# Altium PCB multv2.PcbDoc (continued)
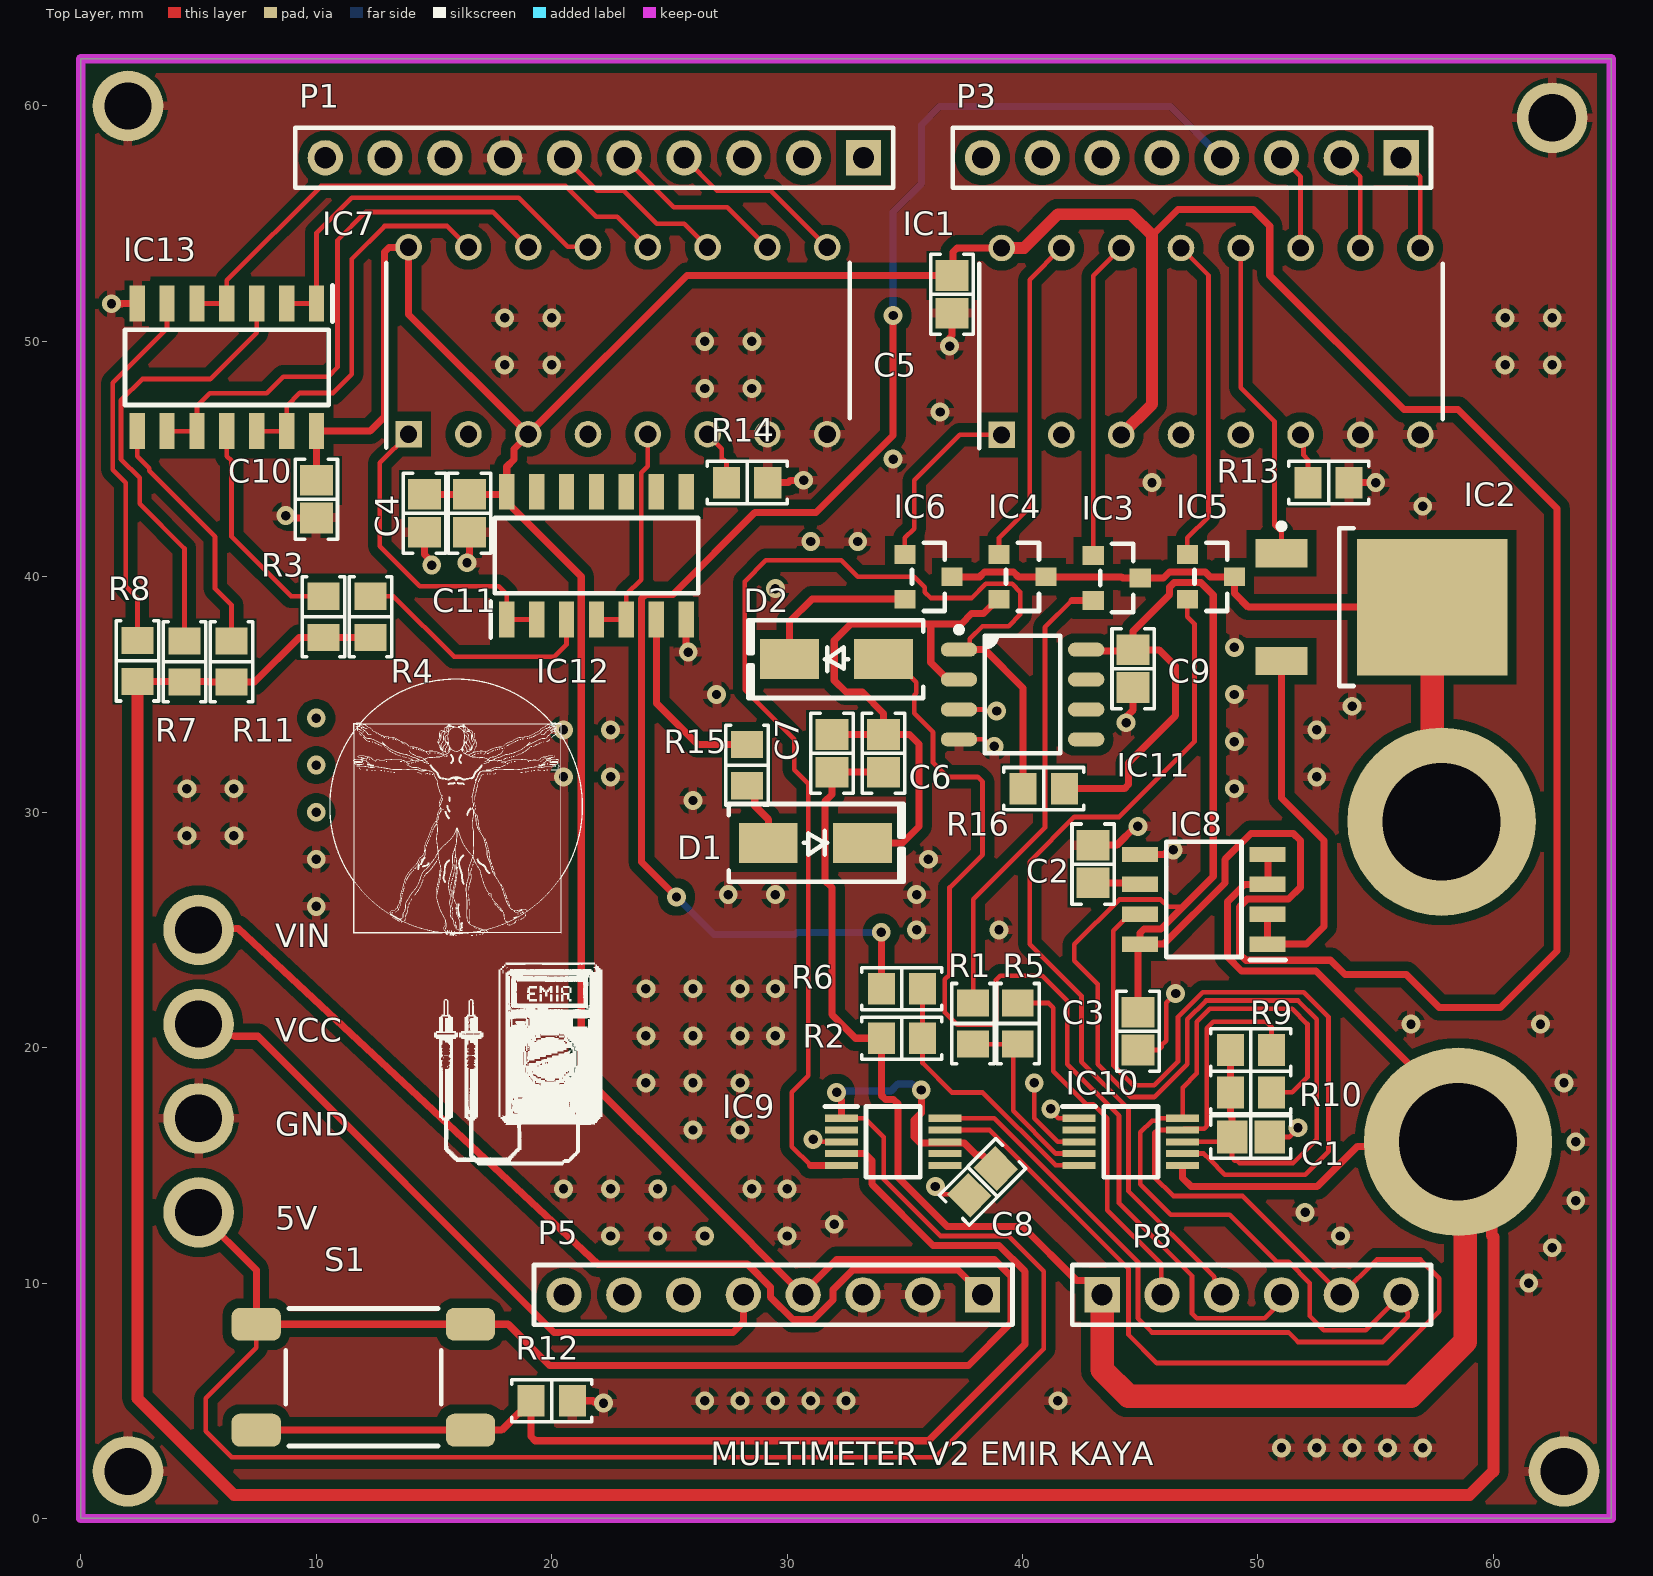
[diagram p0: Top Layer view]
## Part data (continued)
IC1 IC7: "Integrated Circuit", Manufacturer_Name="Texas Instruments", Mouser Part Number=595-CD74HC4051E, Arrow Part Number=CD74HC4051E, Arrow Price/Stock=https://www.arrow.com/en/products/cd74hc4051e/texas-instruments?region=europe, Datasheet Link=http://www.ti.com/lit/ds/symlink/cd74hc4051.pdf, Height=5.08mm, Manufacturer_Part_Number=CD74HC4051E, Mouser Price/Stock=https://www.mouser.co.uk/ProductDetail/Texas-Instruments/CD74HC4051E?qs=LfG3tU9ud8CbsH7xUrF9XA%3D%3D
IC2: library part IPD80R2K8CEATMA1, "MOSFET N-CH 800V 1.9A TO252-3", Current - Continuous Drain (Id) @ 25°C="1.9A (Tc)", Drain to Source Voltage (Vdss)="800 V", Drive Voltage (Max Rds On,  Min Rds On)=10V, Input Capacitance (Ciss) (Max) @ Vds="290 pF @ 100 V", manufacturer="Infineon Technologies", Operating Temperature="-55°C ~ 150°C (TJ)", Package / Case="TO-252-3, DPak (2 Leads + Tab), SC-63", Power Dissipation (Max)="42W (Tc)", Supplier Device Package=PG-TO252-3, Supplier Part Number 1=IPD80R2K8CEATMA1CT-ND, componentlink1description=Datasheet, componentlink1url=https://www.infineon.com/dgdl/Infineon-IPX80R2K8CE-DS-v02_01-en.pdf?fileId=db3a304340155f3d01402f5e5f1f274f, componentlink2description="DigiKey Link", componentlink2url=https://www.digikey.com/en/products/detail/infineon-technologies/IPD80R2K8CEATMA1/5960265, FET Type=N-Channel, Gate Charge (Qg) (Max) @ Vgs="12 nC @ 10 V", lastupdated="03/06/2024 20:26:42", Lifecycle Status=Active, Minimum Order=1, Mounting Type="Surface Mount", packaging=TapeAndReel, Part Number=IPD80R2K8CEATMA1, Part Status=Active, price=0.39, Rds On (Max) @ Id, Vgs="2.8Ohm @ 1.1A, 10V", series="CoolMOS™ CE", Supplier 1=DigiKey, Technology="MOSFET (Metal Oxide)", Vgs (Max)=±20V, Vgs(th) (Max) @ Id="3.9V @ 120µA"
IC3 IC4 IC5 IC6: "MOSFET N-CH 60V 2A SOT23", Current - Continuous Drain (Id) @ 25°C="2A (Ta)", Drain to Source Voltage (Vdss)="60 V", Drive Voltage (Max Rds On,  Min Rds On)="4.5V, 10V", Input Capacitance (Ciss) (Max) @ Vds="606 pF @ 20 V", manufacturer="Diodes Incorporated", Operating Temperature="-55°C ~ 150°C (TJ)", Package / Case="TO-236-3, SC-59, SOT-23-3", Power Dissipation (Max)="800mW (Ta)", Supplier Device Package=SOT-23-3, Supplier Part Number 1=DMN6075S-7DICT-ND, componentlink1description=Datasheet, componentlink1url=https://www.diodes.com/assets/Datasheets/DMN6075S.pdf, componentlink2description="DigiKey Link", componentlink2url=https://www.digikey.com/en/products/detail/diodes-incorporated/DMN6075S-7/5149292, FET Type=N-Channel, Gate Charge (Qg) (Max) @ Vgs="12.3 nC @ 10 V", lastupdated="03/06/2024 20:15:18", Lifecycle Status=Active, Minimum Order=1, Mounting Type="Surface Mount", packaging=TapeAndReel, Part Number=DMN6075S-7, Part Status=Active, price=0.05, Rds On (Max) @ Id, Vgs="85mOhm @ 3.2A, 10V", series=-, Supplier 1=DigiKey, Technology="MOSFET (Metal Oxide)", Vgs (Max)=±20V, Vgs(th) (Max) @ Id="3V @ 250µA"
IC8: "Integrated Circuit", Manufacturer_Name="Allegro Microsystems", Mouser Part Number=250-712ELCTR05BT, Arrow Part Number=ACS712ELCTR-05B-T, Arrow Price/Stock=https://www.arrow.com/en/products/acs712elctr-05b-t/allegro-microsystems?utm_currency=USD&region=nac, Datasheet Link=https://www.allegromicro.com/~/media/Files/Datasheets/ACS712-Datasheet.ashx, Height=1.75mm, Manufacturer_Part_Number=ACS712ELCTR-05B-T, Mouser Price/Stock=https://www.mouser.co.uk/ProductDetail/Allegro-MicroSystems/ACS712ELCTR-05B-T?qs=pUKx8fyJudDs65Rkshv5ug%3D%3D
IC9 IC10: "Integrated Circuit", Manufacturer_Name="Texas Instruments", Mouser Part Number=595-ADS1015IDGST, Arrow Part Number=ADS1015IDGST, Arrow Price/Stock=https://www.arrow.com/en/products/ads1015idgst/texas-instruments?utm_currency=USD&region=nac, Datasheet Link=https://datasheet.datasheetarchive.com/originals/distributors/SFDatasheet-7/sf-000145393.pdf, Height=1.1mm, Manufacturer_Part_Number=ADS1015IDGST, Mouser Price/Stock=https://www.mouser.co.uk/ProductDetail/Texas-Instruments/ADS1015IDGST?qs=IK5e5L0zOXh9z6MvmmS6pA%3D%3D
IC11: "IC OPAMP GP 2 CIRCUIT 8SOIC", Current - Input Bias=20nA, Current - Output / Channel=30mA, Current - Supply=1mA, Device Package="8-SOIC (0.154\", 3.90mm Width)", manufacturer="Texas Instruments", Operating Temperature="-40°C ~ 125°C", Supplier Device Package=8-SOIC, Supplier Part Number 1=296-27464-1-ND, Voltage - Input Offset=3mV, Voltage - Supply, Single/Dual (±)="3V ~ 26V, ±1.5V ~ 13V", Amplifier Type="General Purpose", componentlink1description=Datasheet, componentlink1url=http://www.ti.com/general/docs/suppproductinfo.tsp?distId=10&gotoUrl=http%3A%2F%2Fwww.ti.com%2Flit%2Fgpn%2Flm258a, componentlink2description="DigiKey Link", componentlink2url=http://digikey.com/product-detail/en/texas-instruments/LM2904DRG3/296-27464-1-ND/2297366, Gain Bandwidth Product=700kHz, lastupdated="09/01/2020 02:06:06", Lifecycle Status=Active, Minimum Order=1, Mounting Type="Surface Mount", Number of Circuits=2, Package / Case="8-SOIC (0.154\", 3.90mm Width)", packaging=ReReel, Part Number=LM2904DRG3, Part Status=Active, partid=14, price=0.00, series=-, Slew Rate=0.3V/µs, Supplier 1=DigiKey
IC12 IC13: "Integrated Circuit", Manufacturer_Name="Texas Instruments", Mouser Part Number=595-CD74HCT125M, Arrow Part Number=CD74HCT125M, Arrow Price/Stock=https://www.arrow.com/en/products/cd74hct125m/texas-instruments, Datasheet Link=http://www.ti.com/lit/ds/symlink/cd74hct125.pdf, Height=1.75mm, Manufacturer_Part_Number=CD74HCT125M, Mouser Price/Stock=https://www.mouser.co.uk/ProductDetail/Texas-Instruments/CD74HCT125M?qs=D5pVkbrsqqIXfx0uwi2SiA%3D%3D
P1: library part "Header 10", "Header, 10-Pin", LatestRevisionDate=17-Jul-2002, LatestRevisionNote="Re-released for DXP Platform.", Publisher="Altium Limited"
P3 P5: library part "Header 8", "Header, 8-Pin", LatestRevisionDate=17-Jul-2002, LatestRevisionNote="Re-released for DXP Platform.", Publisher="Altium Limited"
P8: library part "Header 6", "Header, 6-Pin", LatestRevisionDate=17-Jul-2002, LatestRevisionNote="Re-released for DXP Platform.", Publisher="Altium Limited"
R1 R2 R4 R9 R10 R12 R13 R14: library part RNCS0805BKE10K0, "RES 10K OHM 0.1% 1/10W 0805", Device Package="0805 (2012 Metric)", manufacturer="Stackpole Electronics Inc", Operating Temperature="-55°C ~ 155°C", Power (Watts)="0.1W, 1/10W", Ratings=AEC-Q200, Supplier Device Package=0805, Supplier Part Number 1=RNCS0805BKE10K0CT-ND, Temperature Coefficient=±25ppm/°C, Tolerance=±0.1%, componentlink1description=Datasheet, componentlink1url=https://www.seielect.com/catalog/sei-rncs_rnch.pdf, componentlink2description="DigiKey Link", componentlink2url=https://www.digikey.com/en/products/detail/stackpole-electronics-inc/RNCS0805BKE10K0/1800067, Composition="Thin Film", Features="Anti-Corrosive, Automotive AEC-Q200, Moisture Resistant", Height - Seated (Max)="0.026\" (0.65mm)", lastupdated="08/02/2024 21:02:39", Lifecycle Status=Active, Minimum Order=1, Number of Terminations=2, Package / Case="0805 (2012 Metric)", packaging=TapeAndReel, Part Number=RNCS0805BKE10K0, Part Status=Active, partid=27713, price=0.07, Resistance="10 kOhms", series=RNCS, Size / Dimension="0.079\" L x 0.049\" W (2.00mm x 1.25mm)", Supplier 1=DigiKey
R3: library part ESR10EZPF2200, "RES SMD 220 OHM 1% 0.4W 0805", Device Package="0805 (2012 Metric)", manufacturer="Rohm Semiconductor", Operating Temperature="-55°C ~ 155°C", Power (Watts)="0.4W, 2/5W", Ratings=AEC-Q200, Supplier Device Package=0805, Supplier Part Number 1=RHM220AECT-ND, Temperature Coefficient=±100ppm/°C, Tolerance=±1%, componentlink1description=Datasheet, componentlink1url=https://www.rohm.com/datasheet/ESR01MZPF/esr-e, componentlink2description="DigiKey Link", componentlink2url=https://www.digikey.com/en/products/detail/rohm-semiconductor/ESR10EZPF2200/1983511, Composition="Thick Film", Features="Automotive AEC-Q200, Pulse Withstanding", Height - Seated (Max)="0.026\" (0.65mm)", lastupdated="08/02/2024 21:02:37", Lifecycle Status=Active, Minimum Order=1, Number of Terminations=2, Package / Case="0805 (2012 Metric)", packaging=TapeAndReel, Part Number=ESR10EZPF2200, Part Status=Active, partid=28037, price=0.02, Resistance="220 Ohms", series=ESR, Size / Dimension="0.079\" L x 0.049\" W (2.00mm x 1.25mm)", Supplier 1=DigiKey
R5 R6 R7 R8 R11: library part RNCS0805BKE10K0, "RES 10K OHM 0.1% 1/10W 0805", Device Package="0805 (2012 Metric)", manufacturer="Stackpole Electronics Inc", Operating Temperature="-55°C ~ 155°C", Power (Watts)="0.1W, 1/10W", Ratings=AEC-Q200, Resistance="10 kOhms", Supplier Device Package=0805, Supplier Part Number 1=RNCS0805BKE10K0CT-ND, Temperature Coefficient=±25ppm/°C, Tolerance=±0.1%, componentlink1description=Datasheet, componentlink1url=https://www.seielect.com/catalog/sei-rncs_rnch.pdf, componentlink2description="DigiKey Link", componentlink2url=https://www.digikey.com/en/products/detail/stackpole-electronics-inc/RNCS0805BKE10K0/1800067, Composition="Thin Film", Features="Anti-Corrosive, Automotive AEC-Q200, Moisture Resistant", Height - Seated (Max)="0.026\" (0.65mm)", lastupdated="08/02/2024 21:02:39", Lifecycle Status=Active, Minimum Order=1, Number of Terminations=2, Package / Case="0805 (2012 Metric)", packaging=TapeAndReel, Part Number=RNCS0805BKE10K0, Part Status=Active, partid=27713, price=0.07, series=RNCS, Size / Dimension="0.079\" L x 0.049\" W (2.00mm x 1.25mm)", Supplier 1=DigiKey
R15: library part ERJ-6ENF1200V, "RES SMD 120 OHM 1% 1/8W 0805", Device Package="0805 (2012 Metric)", manufacturer="Panasonic Electronic Components", Operating Temperature="-55°C ~ 155°C", Power (Watts)="0.125W, 1/8W", Ratings=AEC-Q200, Supplier Device Package=0805, Supplier Part Number 1=P120CCT-ND, Temperature Coefficient=±100ppm/°C, Tolerance=±1%, componentlink1description=Datasheet, componentlink1url=https://industrial.panasonic.com/cdbs/www-data/pdf/RDA0000/AOA0000C304.pdf, componentlink2description="DigiKey Link", componentlink2url=https://www.digikey.com/en/products/detail/panasonic-electronic-components/ERJ-6ENF1200V/1746457, Composition="Thick Film", Features="Automotive AEC-Q200", Height - Seated (Max)="0.028\" (0.70mm)", lastupdated="08/02/2024 21:02:28", Lifecycle Status=Active, Minimum Order=1, Number of Terminations=2, Package / Case="0805 (2012 Metric)", packaging=TapeAndReel, Part Number=ERJ-6ENF1200V, Part Status=Active, partid=30224, price=0.01, Resistance="120 Ohms", series=ERJ-6EN, Size / Dimension="0.079\" L x 0.049\" W (2.00mm x 1.25mm)", Supplier 1=DigiKey
R16: library part CRCW0805330RFKEAHP, "RES SMD 330 OHM 1% 1/2W 0805", Device Package="0805 (2012 Metric)", manufacturer="Vishay Dale", Operating Temperature="-55°C ~ 155°C", Power (Watts)="0.5W, 1/2W", Ratings=AEC-Q200, Supplier Device Package=0805, Supplier Part Number 1=541-330TCT-ND, Temperature Coefficient=±100ppm/°C, Tolerance=±1%, componentlink1description=Datasheet, componentlink1url=http://www.vishay.com/docs/20043/crcwhpe3.pdf, componentlink2description="DigiKey Link", componentlink2url=https://www.digikey.com/en/products/detail/vishay-dale/CRCW0805330RFKEAHP/2226912, Composition="Thick Film", Features="Automotive AEC-Q200, Pulse Withstanding", Height - Seated (Max)="0.020\" (0.50mm)", lastupdated="08/02/2024 21:02:28", Lifecycle Status=Active, Minimum Order=1, Number of Terminations=2, Package / Case="0805 (2012 Metric)", packaging=TapeAndReel, Part Number=CRCW0805330RFKEAHP, Part Status=Active, partid=30364, price=0.02, Resistance="330 Ohms", series=CRCW-HP, Size / Dimension="0.079\" L x 0.049\" W (2.00mm x 1.25mm)", Supplier 1=DigiKey
S1: "SWITCH TACTILE SPST-NO 0.05A 24V", Contact Rating @ Voltage="0.05A @ 24VDC", manufacturer="TE Connectivity ALCOSWITCH Switches", Operating Force=260gf, Operating Temperature="-40°C ~ 105°C", Supplier Part Number 1=450-2138-1-ND, Actuator Height off PCB, Vertical=7.00mm, Actuator Orientation="Top Actuated", Actuator Type=Standard, Circuit=SPST-NO, componentlink1description=Datasheet, componentlink1url=https://www.te.com/commerce/DocumentDelivery/DDEController?Action=srchrtrv&DocNm=1308111-1_SWITCHES_CORE_PROGRAM_CATALOG&DocType=CS&DocLang=English, componentlink2description="DigiKey Link", componentlink2url=https://www.digikey.com/en/products/detail/te-connectivity-alcoswitch-switches/FSM6JSMAASTR/5343804, Illumination=Non-Illuminated, lastupdated="03/06/2024 20:19:31", Lifecycle Status=Active, Minimum Order=1, Mounting Type="Surface Mount", Outline="6.00mm x 6.00mm", packaging=TapeAndReel, Part Number=FSM6JSMAASTR, Part Status=Active, price=0.30, series=FSMJSMA, Supplier 1=DigiKey, Switch Function=Off-Mom, Termination Style="Gull Wing"

## Free pads (board coordinates)
  round 3 hole 2: 12(2,2) 13(2,60) 16(5,13) 17(5,17) 18(5,21) 19(5,25) 22(62.5,59.5) 23(63,2)
  round 8 hole 5: 20(57.8,29.6) 21(58.5,16)

## Via types
v1: diameter 0.8, hole 0.4, Top Layer to Bottom Layer, 115 vias

## Nets (pads, with @x,y where several pads share a name; then routed paths per layer and width w, separated by ;. In a path a pad name is that pad's centre, name@x,y a point inside that pad or via, vN(x,y) a via of type N, cw(c..) or ccw(c..) an arc to the next point about the centre after c; other vN are vias at no path point)
+5: C1.2 C3.2 C4.2 C5.2 C8.2 C9.2 C10.2 C11.2 IC1.3 IC1.16 IC7.3 IC7.16 IC8.8 IC9.1 IC9.8 IC10.8 IC11.8 IC12.14 IC13.14 P5.4 pad.16 R9.2 R10.2 R16.2 S1.1 S1.2 | length 382.7
  Top Layer w0.2: S1.1 7.45,7.25 5.3,5.1 5.3,3.7 6.4,2.6 36.3,2.6 40.9,7.2 40.9,10.5 39.4,12 36.5,12 34.1,14.4 34.1,16.2 33.3,17 IC9.1 ; IC10.8@46.721,16 C1.2@48.5,16 ; 46.817,25.983 46.182,25.983 45.875,26.29 44.101,26.29 42.2,24.389 42.2,23.7 43.2,22.7 43.2,19.3 44.6,17.9 45.6,17.9 47,19.3 47,21.205 47.795,22 51.7,22 52.5,21.2 52.5,16.1 51.5,15.1 49.2,15.1 49.1,15.2 49.017,15.2 48.9,15.317 C1.2
  Top Layer w0.3: pad.16 7.45,10.55 S1.1 S1.2 18.15,8.25 19.9,6.5 37.7,6.5 39.5,8.3 39.5,10.3 38.8,11 32.1,11 30.68,9.58 P5.4 26.34,13.84 21.255,18.925 21.255,40.009 18.09,43.174 IC12.14 ; C10.2 10,45.05 10.01,45.06 IC13.14 12.288,46.188 12.9,46.8 12.9,53.8 13.092,53.992 13.912,53.992 IC7.16 13.92,51.14 IC7.3 ; C4.2 15.5,43.5 C11.2 17.978,43.5 IC12.14 ; v1(32.1,18.1) 32.1,17.965 32.3,17.765 IC9.1 ; v1(35.7,18.2) 35.7,17.232 35.4,16.932 35.4,16.2 35.65,15.95 37.524,15.95 38.026,15.449 38.283,15.449 C8.2 ; IC1.16 37.226,53.97 37.05,53.794 37.05,52.85 C5.2 25.74,52.8 IC7.3 ; R16.2 44.324,31 44.5,31.176 44.5,32.1 46.5,34.1 46.5,36.2 45.8,36.9 C9.2 ; IC11.8 42.757,36.848 44.648,36.848 C9.2 ; C3.2 IC8.8@44.9,24.395 ; 45.5,54.5 46.6,55.6 49.8,55.6 50.5,54.9 50.5,52.8 56.2,47.1 58.5,47.1 62.7,42.9 62.7,24.1 60.3,21.7 57.7,21.7 56.3,23.1 53.7,23.1 53.088,23.712 49.488,23.712 49.218,23.982 49.218,25.983 49.545,26.31 51.299,26.31 51.8,26.811 51.8,28.8 51.5,29.1 49.7,29.1 48.6,28 48.6,27 45.995,24.395 IC8.8 44.988,24.864 45.164,25.04 45.875,25.04 46.817,25.983 48.1,27.265 48.1,39.224 47.574,39.75 46.426,39.75 46.25,39.574 46.25,39.25 44.7,37.7 C9.2 ; R9.2 48.825,19.075 R10.2 48.825,17.125 48.9,17.05 C1.2 ; IC12.14 18.09,44.674 18.4,44.984 18.4,45.437 19,46.037 IC7.3
  Top Layer w0.5: IC1.16 40.07,53.97 41.5,55.4 44.6,55.4 45.5,54.5 45.5,47.34 IC1.3
  Bottom Layer w0.3: v1(32.1,18.1) 32.15,18.15 34.4,18.15 34.7,18.45 35.315,18.45 35.565,18.2 v1(35.7,18.2)
A0: C6.1 C7.1 IC8.3 IC8.4 IC10.6 P8.1 pad.21 R2.2 R3.1 R4.2 R7.2 R8.2 R11.2 | length 208.5
  Top Layer w0.3: R8.2 4.4,35.55 5.4,35.55 5.425,35.525 R11.2 7.375,35.525 9.275,37.425 R3.1 R4.2 R4.2@12.4,37.425 ; C6.1 32.9,31.7 C7.1 31.9,30.75 31.6,30.45 31.6,27.1 31.9,26.8 31.9,21.4 32.9,20.4 R2.2 34,17.976 34.176,17.8 34.524,17.8 34.7,17.624 34.7,14.5 36.8,12.4 40,12.4 42.3,10.1 42.78,10.1 P8.1 ; IC10.6 46.8,14.466 47.166,14.1 52.516,14.1 54.226,15.809 58.309,15.809 pad.21 ; IC8.4@50.424,28.205 50.424,26.935 IC8.3 49.435,26.935 48.7,26.2 48.7,23.864 49.301,23.262 52.462,23.262 58.5,17.225 pad.21 ; pad.21@58.8,15.455 58.8,15.7 pad.21
  Top Layer w0.5: R8.2 2.4,5.1 6.5,1 59,1 60,2 60,11.957 59.935,12.022 59.935,14.32 pad.21@58.8,15.455
  Top Layer w1: P8.1 43.38,6.32 44.5,5.2 56.5,5.2 58.8,7.5 pad.21@58.8,15.455
A1: P8.2 R5.1 | length 15.9
  Top Layer w0.2: R5.1 41.1,21.9 41.3,21.7 41.3,19 42.7,17.6 43.004,17.6 43.6,17.004 43.6,13.1 45.888,10.812 45.888,9.532 P8.2
A2: IC5.2 P8.3 | length 37.1
  Top Layer w0.2: IC5.2 47,38.3 47.3,38 47.3,33 44.1,29.8 42.2,29.8 40.3,27.9 40.3,24.4 42.5,22.2 42.5,19.4 44.5,17.4 44.5,13.9 48.138,10.262 48.138,10.174 48.46,9.852 P8.3
A3: D2.1 P8.4 | length 46.1
  Top Layer w0.2: D2.1 34.5,36.5 35.479,35.521 35.479,35.05 35.4,34.971 35.4,34.2 36.2,33.4 36.2,32.1 36.8,31.5 38.1,31.5 38.3,31.3 38.3,28.2 36.9,26.8 36.9,23.1 36.7,22.9 36.7,21.496 37.221,20.975 38.683,20.975 38.875,21.167 38.875,22.875 39.058,23.058 40.842,23.058 41.9,22 41.9,19.3 44.1,17.1 44.1,13.4 47.2,10.3 47.2,8.7 47.4,8.5 50.285,8.5 51,9.215 P8.4
ADC0: IC10.4 R1.1 R5.2 | length 8.4
  Top Layer w0.2: R1.1 R5.2 39.6,19.95 39.6,17.317 41.417,15.5 IC10.4
ADC1: IC10.5 R2.1 R6.2 | length 11.7
  Top Layer w0.2: R2.1@35.75,20.3 R6.2 ; R2.1 35.75,19.35 37.007,18.093 38.307,18.093 41.4,15 IC10.5
ADC3: IC8.7 IC10.7 | length 32.7
  Top Layer w0.2: IC8.7@45.15,25.643 44.528,25.643 43.853,24.967 43.853,19.244 44.696,18.4 45.6,18.4 46.6,19.4 46.6,21.3 47.65,22.35 51.95,22.35 53,21.3 53,15.6 52,14.6 48.598,14.6 47.948,15.25 ; IC10.7 47.696,15.5 47.946,15.25
ADC4: IC9.4 R12.1 S1.3 S1.4 | length 50
  Top Layer w0.3: S1.3 15.55,3.75 17.875,3.75 18.6,4.475 18.7,4.475 R12.1@19.125,4.9 ; R12.1 19.125,3.476 19.301,3.3 36,3.3 40.1,7.4 40.1,10.5 39,11.6 36.2,11.6 33.6,14.2 33.6,15.2 33.3,15.5 IC9.4
ADC5: IC9.5 IC11.1 R16.1 | length 52.7
  Top Layer w0.2: 31,15 30.2,15.8 30.2,18.1 30.9,18.8 30.9,31.2 30.3,31.8 30.3,33.1 28.2,35.2 28.2,39.8 29.1,40.7 32.3,40.7 33,40 35.4,40 35.85,39.55 35.85,39.35 36.1,39.1 37.846,39.1 38.446,39.7 39.554,39.7 39.9,39.354 39.9,38.4 39.403,37.903 38.298,37.903 37.762,37.367 37.762,37.09 IC11.1@37.676,37.004
  Top Layer w0.3: 31,15 IC9.5 ; IC11.1 37.676,36.905 38.395,36.905 40.025,35.275 R16.1
CAP1_GND: IC13.11 R3.2 | length 9.5
  Top Layer w0.2: IC13.11 6.2,45.125 6.4,44.925 6.4,41.7 8.925,39.175 R3.2
CAP2_GND: IC12.3 R4.1 | length 10.7
  Top Layer w0.2: R4.1 13.275,39.175 15.85,36.6 20.104,36.6 20.63,37.126 IC12.3
CURR+: IC2.S IC8.1 IC8.2 | length 16
  Top Layer w0.3: IC8.2 IC8.1 52.054,24.395 52.8,25.141 52.8,28.8 51,30.6 IC2.S
D0: IC1.9 P3.1 | length 4.2
  Top Layer w0.2: P3.1 56.89,56.99 IC1.9
D1: IC1.10 P3.2 | length 4.2
  Top Layer w0.2: P3.2 54.35,56.99 IC1.10
D2: IC1.11 P3.3 | length 4.2
  Top Layer w0.2: P3.3 51.81,56.99 IC1.11
D3: P3.4 R6.1 | length 66.3
  Top Layer w0.3: v1(25.3,26.4) 23.815,27.885 23.815,39.075 23.991,39.251 25.151,39.251 28.625,42.725 31.225,42.725 34.5,46 v1(34.5,51.1) ; R6.1 v1(34,24.9)
  Bottom Layer w0.3: v1(25.3,26.4) 26.9,24.8 30.332,24.8 30.432,24.9 v1(34,24.9) ; v1(34.5,51.1) 34.5,55.5 35.7,56.7 35.7,59.2 36.476,59.976 46.284,59.976 P3.4
D4: P3.5
D5: P3.6
D6: P3.7
D7: P3.8
D8: P1.1
D9: P1.2
D10: P1.3
D11: IC7.9 P1.4 | length 7.7
  Top Layer w0.2: P1.4 27.02,56.4 29.3,56.4 IC7.9
D12: IC7.10 P1.5 | length 7.7
  Top Layer w0.2: P1.5 25.18,55.7 27.46,55.7 IC7.10
D13: IC7.11 P1.6 | length 7.7
  Top Layer w0.2: P1.6 21.94,56.4 23.066,56.4 24.466,55 25.62,55 IC7.11
GND: C1.1 C2.1 C3.1 C4.1 C5.1 C8.1 C9.1 C10.1 C11.1 IC1.7 IC1.8 IC7.7 IC7.8 IC8.5 IC9.3 IC10.1 IC10.3 IC11.3 IC11.4 IC12.7 IC13.7 P1.7 P5.2 P5.3 pad.12 pad.13 pad.17 pad.22 pad.23 R12.2 R13.2 R14.2 | length 33.9
  Top Layer w0.2: v1(31.1,16.1) 31.2,16.1 31.3,16 IC9.3 ; v1(36.3,14.1) 36.48,13.92 36.48,13.887 36.597,13.77 37.699,13.77 C8.1 ; IC11.4 38.375,33.095 38.57,32.9 38.7,32.9 v1(38.8,32.8) ; IC11.3 38.375,34.365 38.44,34.3 v1(38.9,34.3) ; v1(40.5,18.5) 40.5,17 41.5,16 IC10.3 ; v1(41.2,17.4) 41.4,17.2 41.4,17.117 41.517,17 IC10.1 ; C3.1 45.783,19.9 45.9,20.017 45.9,20.1 46.1,20.3 46.1,21.9 v1(46.5,22.3) ; C1.1 51.333,16.2 51.45,16.317 51.45,16.35 v1(51.7,16.6)
  Top Layer w0.3: v1(1.3,51.6) 1.753,51.6 1.765,51.612 IC13.7 ; v1(8.7,42.6) 8.8,42.5 C10.1 ; C4.1 14.6,40.95 14.9,40.65 v1(14.9,40.5) ; v1(16.4,40.6) 16.4,40.85 16.5,40.95 C11.1 ; R12.2 21.75,5 21.85,4.9 v1(22.2,4.9) ; IC12.7 25.71,37.126 25.8,37.036 v1(25.8,36.8) ; R14.2 30.05,44 30.15,44.1 v1(30.7,44.1) ; v1(36.9,49.8) 36.9,50.15 37,50.25 C5.1 ; C2.1 44,28.6 44.8,29.4 v1(44.9,29.4) ; v1(44.4,33.8) 44.4,34.05 44.7,34.35 C9.1 ; IC8.5 46.005,28.205 46.2,28.4 v1(46.4,28.4) ; R13.2 v1(55,44)
  other v1: 51,3 52.5,3 54,3 55.5,3 57,3 26.5,5 28,5 29.5,5 31,5 32.5,5 41.5,5 61.5,10 62.5,11.5 22.5,12 24.5,12 26.5,12 30,12 53.5,12 32,12.5 52,13 63.5,13.5 20.5,14 22.5,14 24.5,14 28.5,14 30,14 63.5,16 26,16.5 28,16.5 24,18.5 26,18.5 28,18.5 63,18.5 24,20.5 26,20.5 28,20.5 29.5,20.5 56.5,21 62,21 24,22.5 26,22.5 28,22.5 29.5,22.5 35.5,25 39,25 10,26 27.5,26.5 29.5,26.5 35.5,26.5 10,28 36,28 4.5,29 6.5,29 26,30.5 4.5,31 6.5,31 49,31 20.5,31.5 22.5,31.5 52.5,31.5 49,33 20.5,33.5 22.5,33.5 52.5,33.5 54,34.5 27,35 49,35 49,37 29.5,39.5 31,41.5 33,41.5 57,43 45.5,44 34.5,45 36.5,47 26.5,48 28.5,48 18,49 20,49 60.5,49 62.5,49 26.5,50 28.5,50 18,51 20,51 60.5,51 62.5,51
IND+: C6.2 C7.2 D1.2 IC4.2 IC11.2 | length 26.2
  Top Layer w0.3: C7.2 33.1,33.3 C6.2 ; D1.2 34.9,28.7 35.6,29.4 35.6,32.9 35.2,33.3 C6.2 ; IC11.2 36.825,35.635 36.1,36.36 36.1,38 ; IC4.2 38.95,39.05 38.338,38.438 37.838,38.438 37.4,38 36.1,38 ; C6.2 34.1,34.2 33.2,35.1 32.5,35.1 32,35.6 32,37.3 32.7,38 36.1,38
IND_GND: IC12.6 R15.2 | length 8.1
  Top Layer w0.3: IC12.6 24.45,38.178 24.45,34.63 26.205,32.875 R15.2
MUX1: IC1.12 IC2.G | length 13.7
  Top Layer w0.2: IC1.12 49.27,48.03 50.7,46.6 50.7,42.2 51,41.9 IC2.G
MUX1_2: IC7.13 IC13.1 IC13.2 | length 17.3
  Top Layer w0.2: IC13.2 IC13.1 10.01,54.61 11.5,56.1 18.6,56.1 20.675,54.025 21.515,54.025 IC7.13
MUX2: IC1.14 IC3.1 | length 13.6
  Top Layer w0.2: IC3.1 43,52.78 IC1.14
MUX2_2: IC7.12 IC13.4 IC13.5 | length 22.9
  Top Layer w0.2: IC13.5 IC13.4 6.2,52.6 10.2,56.6 20.6,56.6 21.9,55.3 22.78,55.3 IC7.12
MUX3: IC1.15 IC4.1 | length 14.1
  Top Layer w0.2: IC4.1 39,41.65 40.3,42.95 40.3,52.62 IC1.15
MUX3_2: IC7.14 IC13.9 IC13.10 | length 23.6
  Top Layer w0.2: IC13.9 IC13.10 4.93,47.25 5.48,47.8 7.9,47.8 8.6,48.5 10.5,48.5 10.9,48.9 10.9,54.3 12.1,55.5 17.5,55.5 IC7.14
MUX4: IC1.13 IC5.1 | length 13.9
  Top Layer w0.2: IC1.13 47.9,52.8 47.9,42.55 47,41.65 IC5.1
MUX4_2: IC7.15 IC13.12 IC13.13 | length 16.5
  Top Layer w0.2: IC13.12 IC13.13 8.74,47.25 9.3,47.81 10.71,47.81 11.5,48.6 11.5,53.5 12.9,54.9 15.56,54.9 IC7.15
MUX5: IC1.1 IC6.1 | length 7.8
  Top Layer w0.2: IC6.1 35,41.65 35.4,42.05 35.4,44.1 37.33,46.03 IC1.1
MUX5_2: IC7.1 IC12.1 IC12.2 | length 13.8
  Top Layer w0.2: IC7.1 12.7,44.84 12.7,41.3 14.4,39.6 17.741,39.6 18.09,39.251 IC12.1 IC12.2
MUX6_2: IC7.5 IC12.4 IC12.5 | length 9.5
  Top Layer w0.2: IC12.4 IC12.5 23.17,39.251 23.8,39.881 23.8,44.413 24.08,44.693 IC7.5
NetC2_2: C2.2 IC8.6 | length 1.9
  Top Layer w0.3: C2.2@42.749,27 IC8.6@44.67,27
NetD1_1: D1.1 R15.1 | length 2.7
  Top Layer w0.3: R15.1@28.446,31.079 28.624,30.901 28.624,30.276 29.2,29.7 D1.1
NetIC1_6: IC1.6 R13.1 | length 2.2
  Top Layer w0.2: IC1.6 51.935,45.905 51.935,45.165 52.125,44.975 R13.1
NetIC7_6: IC7.6 R14.1 | length 2.4
  Top Layer w0.2: IC7.6 26.62,46.047 27.225,45.442 27.225,44.975 27.308,44.975 27.425,44.858 R14.1
PROBE+: IC2.D IC3.3 IC4.3 IC5.3 IC6.3 pad.20 | length 34.9
  Top Layer w0.3: IC6.3 38.181,40 38.381,40.2 39.619,40.2 39.819,40 IC4.3 44.2,40 44.25,39.95 45.989,39.95 46.239,40.2 47.761,40.2 47.961,40 IC5.3 49,39.3 49.59,38.71 IC2.D
  Top Layer w1: IC2.D 57.4,29.6 57.4,27.6 pad.20
R1_GND: IC13.3 R7.1 | length 19.5
  Top Layer w0.2: R7.1 4.4,41.2 2.5,43.1 2.5,44.2 1.7,45 1.7,47.5 2.6,48.4 5.5,48.4 7.47,50.37 IC13.3
R2_GND: IC13.6 R8.1 | length 15.7
  Top Layer w0.2: R8.1 2.4,39.1 1.9,39.6 1.9,44 1.35,44.55 1.35,48.24 3.66,50.549 IC13.6
R3_GND: IC13.8 R11.1 | length 10.6
  Top Layer w0.2: IC13.8 2.39,45.125 2.9,44.615 2.9,44.5 5.7,41.7 5.7,39.5 6.4,38.8 R11.1
RESET: P5.6
RESIST+: D2.2 IC6.2 | length 6.9
  Top Layer w0.3: D2.2 30.1,38.1 31.05,39.05 IC6.2
SCL: IC9.10 IC10.10 P8.6 R10.1 | length 59.4
  Top Layer w0.2: IC9.10 37.7,17 38.8,17 44.9,10.9 44.9,8.5 45.5,7.9 51.3,7.9 51.7,7.5 55.3,7.5 56.367,8.567 56.367,8.733 56.329,8.771 56.329,9.251 P8.6 54.58,8 52.8,8 52.2,8.6 52.2,10 51.3,10.9 50.8,10.9 48.8,12.9 46.3,12.9 45,14.2 45,16.4 45.5,16.9 45.7,16.9 45.8,17 IC10.10 46.8,17.05 46.8,18.305 47.4,18.905 47.4,21.1 47.95,21.65 51.45,21.65 52.1,21 52.1,18.75 51.45,18.1 R10.1
SDA: IC9.9 IC10.9 P8.5 R9.1 | length 56.5
  Top Layer w0.2: IC9.9 38.6,16.5 44.5,10.6 44.5,7.8 45.7,6.6 55.5,6.6 57.7,8.8 57.7,10.2 56.9,11 55.04,11 P8.5 49.34,13.7 46.4,13.7 45.6,14.5 45.6,16.383 45.717,16.5 IC10.9 46.85,16.55 47.71,16.55 47.827,16.667 47.827,20.827 48.1,21.1 50.35,21.1 50.575,20.875 R9.1
VCC: P5.5 pad.18 | length 29.8
  Top Layer w0.3: pad.18 6.517,20.483 7.517,20.483 20.1,7.9 27.7,7.9 28.14,8.34 P5.5
VIN: P5.1 pad.19 | length 41.7
  Top Layer w0.3: pad.19 6.575,25.054 6.58,25.054 6.703,25.054 21.961,10.8 28.325,10.8 29.285,9.84 29.285,9.41 30.245,8.45 31.115,8.45 31.95,9.285 31.95,9.715 32.785,10.55 37.25,10.55 P5.1
VOLT+: IC3.2 R1.2 | length 19.7
  Top Layer w0.2: R1.2 37.9,26.3 40.95,29.35 40.95,37.85 42.1,39
  Top Layer w0.3: 42.1,39 IC3.2
pads on no net: IC1.2 IC1.4 IC1.5 IC7.2 IC7.4 IC9.2 IC9.6 IC9.7 IC10.2 IC11.5 IC11.6 IC11.7 IC12.8 IC12.9 IC12.10 IC12.11 IC12.12 IC12.13 P1.8 P1.9 P1.10 P5.7 P5.8
copper on no net:
  other v1: 10,30 10,32 10,34

## Polygon pours and split planes (outlines as drawn)
GND on Bottom Layer "GNDP" (solid, pour order 0): 0,62 65,62 65,0 0,0
GND on Top Layer "GNDP" (solid, pour order 1): 0,62 65,62 65,0 0,0

## Keep-outs
Keep-Out Layer:
  the board outline again, w0.4

## Silkscreen, mask and mechanical layers (free items; w line width, h text height)
Top Overlay:
  drawing of 2109 lines, arcs and shapes, not listed
  text "VIN" at 8.254,24.254 h1
  text "VCC" at 8.254,20.254 h1
  text "GND" at 8.254,16.254 h1
  text "5V" at 8.254,12.254 h1
  text "MULTIMETER V2 EMIR KAYA" at 26.754,2.254 h1
Bottom Overlay:
  drawing of 48 lines, arcs and shapes, not listed